# Altium PCB sugar65V2_ARGB_QMK(1).PcbDoc (part 8 of 8)
Units mm, origin at the board's own origin, x right, y up, seen from the top; angles counter-clockwise.
Board outline 416.94 x 174.37 mm, 2 copper layers (Top Layer, Bottom Layer); 304 components, 242 nets, 11102 pads, 1014 vias.
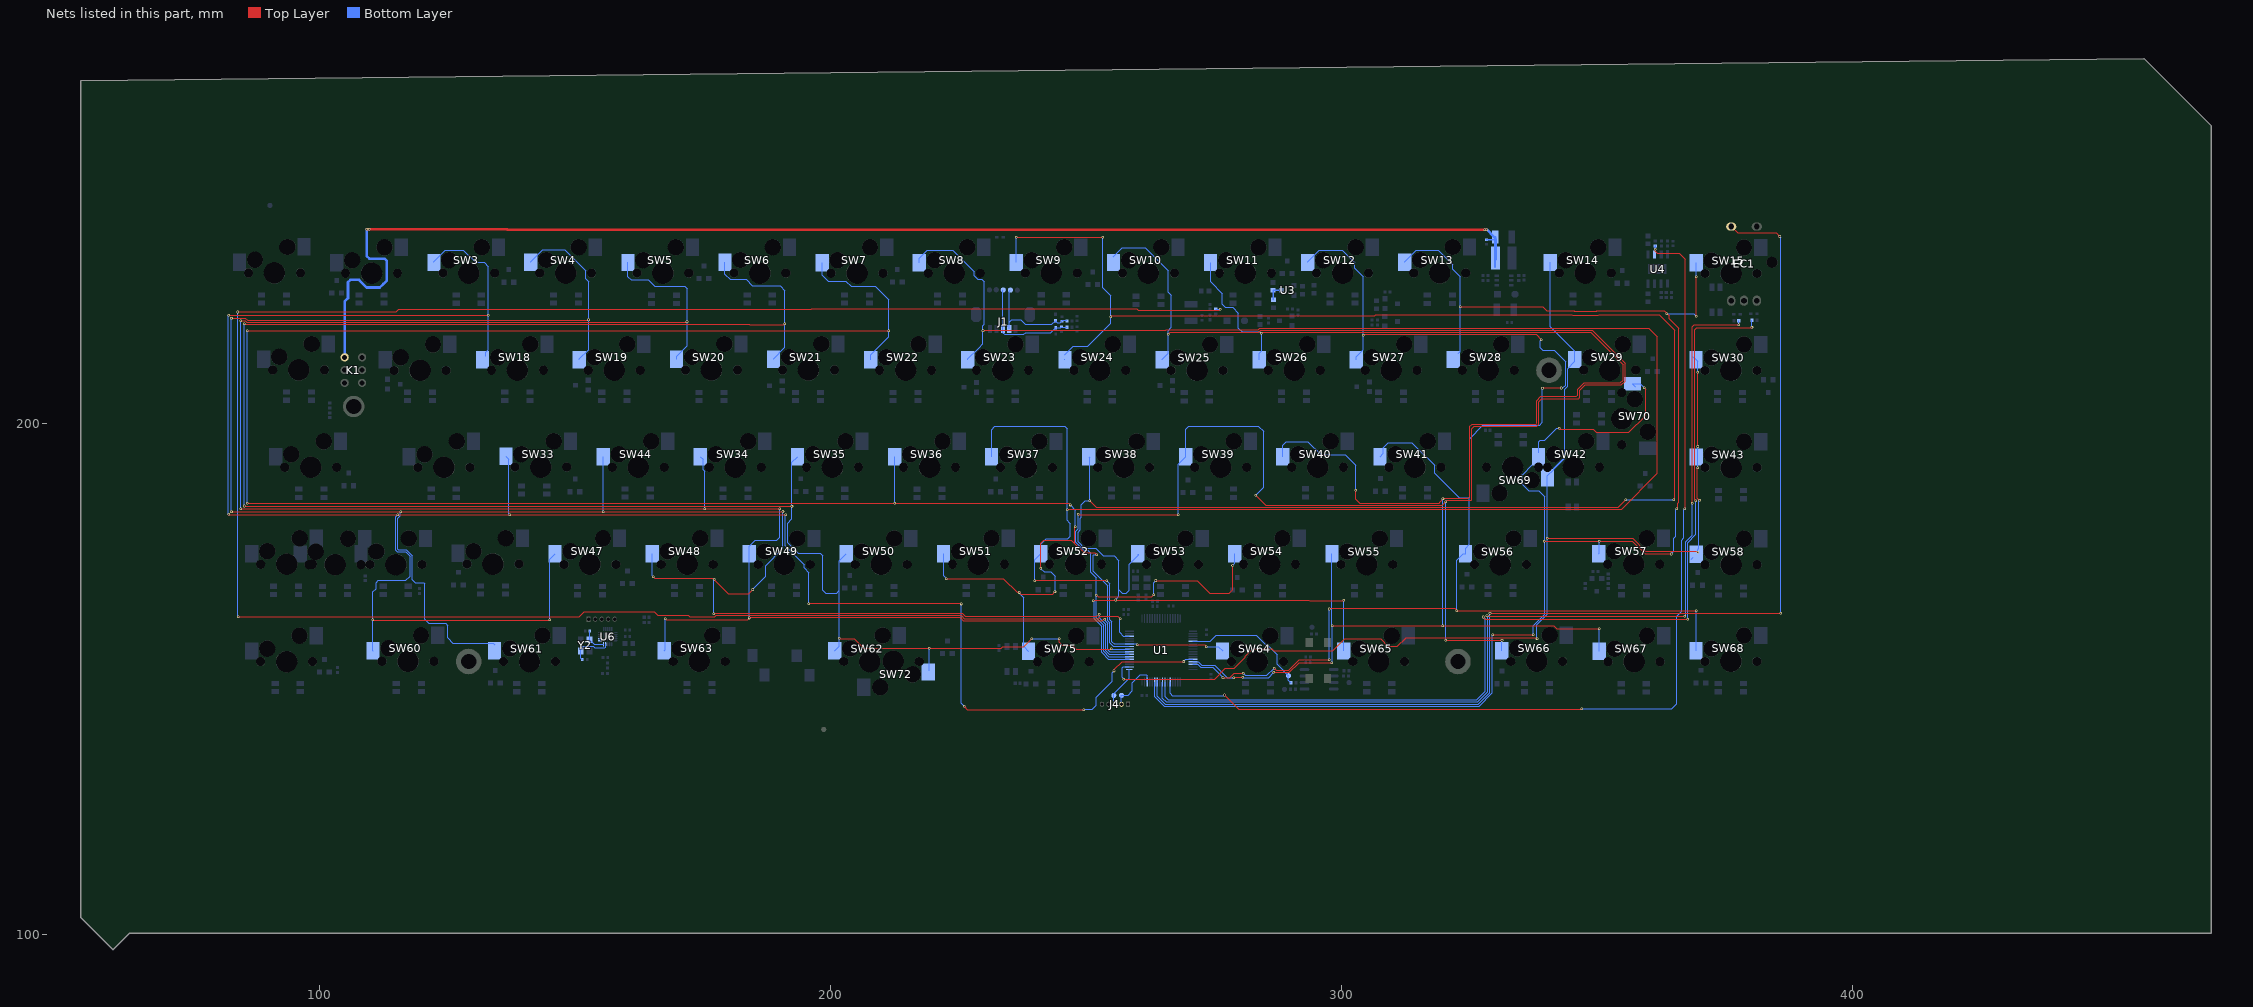
[diagram p8: the nets of this part, all layers, seen from the top]

## Via types
v1: diameter 0.5, hole 0.3, Top Layer to Bottom Layer, 1014 vias

## Nets (pads, with @x,y where several pads share a name; then routed paths per layer and width w, separated by ;. In a path a pad name is that pad's centre, name@x,y a point inside that pad or via, vN(x,y) a via of type N, cw(c..) or ccw(c..) an arc to the next point about the centre after c; other vN are vias at no path point) (continued)
S2: SW3.1 SW18.1 SW33.1 SW47.1 SW60.1 U1.28 | length 445.2
  Top Layer w0.2: v1@82.32,182.16 v1@115.37,182.16 ; v1(82.32,221.16) v1(133.09,221.16) ; v1@110.649,161.51 v1@145.08,161.51 ; v1(115.37,182.16) 116.059,182.159 ; 116.06,182.16 137.279,182.16 v1(191.34,182.16) ; v1(195.86,164.74) 195.86,164.75 195.82,164.79 212.718,164.79 212.727,164.8 225.56,164.8 v1(225.68,164.68) ; v1(226.28,144.65) 226.28,144.62 226.88,144.02 v1@249.55,144.02 ; v1@255.6,151.62 255.6,151.88 257.14,153.42 v1(269.17,153.42)
  Bottom Layer w0.2: v1@82.269,182.26 v1@82.269,221.16 ; 110.55,164.83 110.55,167.05 111.16,167.66 111.16,168.85 111.62,169.31 116.98,169.31 117.82,170.15 117.82,173.99 116.92,174.89 115.34,174.89 115,175.23 115,181.79 v1@115.36,182.15 ; 110.55,162.16 110.55,163.4 ; 110.55,164.829 110.55,163.4 ; SW60.1@110.58,155.54 110.55,155.57 110.55,163.4 ; SW3.1@122.48,231.5 122.48,231.627 124.713,233.86 128.264,233.86 130.624,231.5 132.28,231.5 133.09,230.69 v1(133.09,221.16) ; SW18.1@132.63,213.14 132.63,213.95 133.09,214.41 v1(133.09,221.16) ; SW33.1@136.57,193.55 137.12,193 v1@137.12,182.319 ; 145.11,165.2 145.11,173.44 SW47.1@146.18,174.51 ; v1(145.14,161.61) 145.14,165.17 ; v1@191.18,182.121 191.18,176.06 194.91,172.33 194.91,171.76 195.86,170.81 v1(195.86,164.74) ; v1(225.68,164.68) 225.7,164.66 225.7,145.23 v1(226.28,144.65) ; v1@249.77,144.1 251.316,144.1 252.1,144.884 252.1,146.447 255.22,149.567 255.22,151.24 v1(255.55,151.57) ; v1(269.17,153.42) 269.61,153.86 U1.28@270.98,153.86
  other v1: 249.62,143.95 110.55,161.61 137.28,182.16 82.32,182.21
S3: SW4.1 SW19.1 SW44.1 SW48.1 SW61.1 U1.55 | length 438.4
  Top Layer w0.2: v1(82.87,182.72) v1(116,182.72) v1@155.63,182.72 ; v1@82.92,220.61 85.584,220.61 86.024,220.17 v1@152.57,220.17 ; v1@155.65,182.72 v1@190.73,182.72 ; v1(165.42,170.04) 165.7,169.76 176.976,169.76 v1@177.176,169.56 ; v1(177.23,162.729) 177.391,162.89 225.81,162.89 226.47,162.23 252.21,162.23 v1(252.66,162.68) ; v1@177.29,169.446 180.046,166.69 184.07,166.69 v1(184.89,167.51)
  Bottom Layer w0.2: 82.87,182.97 v1(82.87,220.56) ; v1@115.92,182.639 115.92,181.932 115.4,181.412 115.4,175.396 115.506,175.29 117.086,175.29 118.22,174.156 118.22,169.4 118.825,168.795 120.465,168.795 120.65,168.61 120.65,161.68 121.47,160.86 124.75,160.86 125.18,160.43 125.18,158.04 126.18,157.04 134.05,157.04 SW61.1@134.39,156.7 ; SW4.1@141.43,231.51 141.43,231.637 143.783,233.99 148.06,233.99 152.14,229.91 152.14,228.343 152.73,227.753 152.73,220.61 ; SW19.1@150.93,212.49 150.93,212.617 152.73,214.417 v1(152.73,220.33) ; v1(155.63,182.74) SW44.1@155.63,193.5 ; 165.22,170.24 SW48.1@165.22,174.51 ; v1(177.23,162.729) v1@177.23,169.5 ; v1@184.89,167.54 187.42,170.07 187.42,172.194 190.78,175.554 v1(190.78,182.77) ; v1(252.66,162.68) 252.66,161.96 253.91,160.71 253.91,155.554 254.604,154.86 U1.55@258.58,154.86
  other v1: 177.29,169.56
S4: SW5.1 SW20.1 SW34.1 SW49.1 SW63.1 U1.56 | length 399.7
  Top Layer w0.2: v1@84.67,183.16 v1(84.67,183.27) 84.69,183.29 175.45,183.29 v1(175.47,183.27) v1(190.13,183.27) ; v1(84.67,220.06) 85.568,220.06 85.858,219.77 171.84,219.77 v1(172,219.93) ; v1(167.76,161.75) 167.92,161.59 183.85,161.59 v1(184.2,161.94) ; 184.46,161.94 184.61,162.09 225.42,162.09 226.08,161.43 253.25,161.43 v1@253.51,161.69
  Bottom Layer w0.2: v1@84.67,183.27 v1@84.67,220.06 ; SW5.1@160.45,231.5 160.45,228.73 161.075,228.105 164.415,228.105 165.68,226.84 171.55,226.84 172,226.39 v1@172,219.78 ; SW63.1@167.56,155.52 167.76,155.72 v1(167.76,161.75) ; SW20.1@169.95,212.54 169.95,213.15 172,215.2 v1@172,219.78 ; v1(172,219.93) v1@172,219.78 ; SW34.1@174.61,193.5 175.16,192.95 175.16,190.923 175.47,190.613 v1(175.47,183.27) ; v1(184.2,161.94) SW49.1@184.2,174.49 184.2,175.99 185.33,177.12 189.54,177.12 190.13,177.71 v1@190.13,183.27 ; 253.92,161.479 253.92,161.266 254.31,160.876 254.31,155.72 254.67,155.36 U1.56@258.58,155.36
  other v1: 253.709,161.69
S5: SW6.1 SW21.1 SW35.1 SW50.1 SW62.1 SW72.1 U1.57 | length 397.8
  Top Layer w0.2: v1@85.34,183.82 v1@192.509,183.82 ; v1@85.48,219.37 184.23,219.37 ; 184.24,219.36 v1@191.01,219.36 ; v1@201.95,157.86 204.717,157.86 206.537,156.04 v1@219.38,156.04 ; v1(219.44,155.98) 233.534,155.98 233.823,156.27 237.88,156.27 v1(239.49,157.88) ; v1(244.82,157.84) 244.82,157.21 245.45,156.58 247.373,156.58 248.153,155.8 254.891,155.8 v1@255.01,155.919
  Bottom Layer w0.2: v1@85.34,183.85 v1(85.34,219.51) ; SW6.1@179.43,231.51 179.43,229.23 180.49,228.17 183.55,228.17 184.8,226.92 190.24,226.92 191.16,226 v1(191.16,219.51) 191.16,214.897 188.93,212.667 SW21.1@188.93,212.54 ; v1@192.51,183.82 192.51,192.39 SW35.1@193.63,193.51 ; v1(192.54,183.79) 192.54,181.31 191.67,180.44 191.67,176.703 193.773,174.6 198.11,174.6 198.61,174.1 198.61,167.38 199.163,166.827 201.287,166.827 201.82,167.36 ; SW62.1@200.91,155.5 201.82,156.41 v1(201.82,157.99) 201.82,167.36 ; SW50.1@203.17,174.49 201.82,173.14 201.82,167.36 ; SW72.1@219.44,151.62 v1(219.44,155.98) ; v1@239.53,157.84 v1(244.82,157.84) ; v1@255.01,155.86 U1.57@258.58,155.86 ; v1@255.009,155.861 v1(255.009,155.92)
  other v1: 85.34,183.85
S6: SW7.1 SW22.1 SW36.1 SW51.1 SW75.1 U1.58 | length 455.7
  Top Layer w0.2: v1(85.95,184.38) 85.96,184.37 221.476,184.37 221.506,184.4 246.65,184.4 v1(247,184.05) ; v1(85.96,218.18) v1(211.44,218.18) ; v1(222.76,169.61) 233.91,169.61 236.59,166.93 v1(237.02,166.93) 237.33,166.62 243.52,166.62 v1(244,167.1) ; v1@241.19,171.69 241.19,176.59 241.79,177.19 247.2,177.19 247.88,176.51 ; v1(252.2,174.32) 252.16,174.32 251.77,174.71 249.68,174.71 247.88,176.51 ; 247.88,176.51 v1@247.88,179.68 ; v1@247.88,179.68 v1(248,179.8) 247.909,179.8 247.88,179.83 v1@247.88,179.68
  Bottom Layer w0.2: v1@85.96,184.39 v1(85.96,218.18) ; SW7.1@198.44,231.48 198.44,229.03 199.6,227.87 203.11,227.87 204.14,226.84 208.84,226.84 211.44,224.24 v1(211.44,218.18) 211.44,216.92 207.94,213.42 SW22.1@207.94,212.49 ; SW36.1@212.63,193.51 212.64,193.5 v1(212.64,184.4) ; SW51.1@222.2,174.52 222.2,170.17 v1(222.76,169.61) ; v1@237.02,166.77 237.86,165.93 237.86,156.41 SW75.1@238.81,155.46 ; v1@241.21,171.62 241.88,170.95 243.19,170.95 244.02,170.12 244.02,167.83 ; v1@244.03,167.1 244.03,167.83 ; v1(247,184.05) 248,183.05 v1(248,179.8) 247.909,179.8 247.88,179.83 v1@247.93,179.88 ; v1(252.2,174.32) 251.61,174.32 251.51,174.22 251.51,171.081 254.32,168.271 254.32,161.431 254.71,161.041 254.71,157.1 255.45,156.36 U1.58@258.58,156.36
  other v1: 241.21,171.67
S7: SW8.1 SW23.1 SW37.1 SW52.1 SW64.1 U1.59 | length 416.8
  Top Layer w0.2: v1@229.92,218.25 265.659,218.25 ; v1@240.02,169.21 v1(240,169.23) 240.14,169.37 253.999,169.37 v1(254.149,169.22) 254.16,169.22 254.17,169.21 v1@254.149,169.21 ; v1(246.36,183.08) 246.5,183.22 354.9,183.22 361.89,190.21 361.89,216.94 360.19,218.64 284.077,218.64 283.727,218.29 265.699,218.29 ; v1(260.117,156.663) 273.266,156.663 v1(273.619,156.31)
  Bottom Layer w0.2: SW8.1@217.46,231.48 217.46,232.31 219.04,233.89 223.97,233.89 228.17,229.69 228.17,228.903 228.873,228.2 229.66,228.2 230.17,227.69 230.17,219.439 229.86,219.129 v1@229.86,218.21 ; SW23.1@226.91,212.5 226.91,212.627 229.143,214.86 ; 229.15,214.86 229.91,215.62 v1@229.91,218.15 ; SW37.1@231.59,193.47 231.59,198.78 232.25,199.44 245.93,199.44 246.36,199.01 v1(246.36,183.08) 246.36,181.04 246.725,180.675 ; v1(240,169.23) 240,173.33 SW52.1@241.19,174.52 241.19,176.35 242.29,177.45 246.51,177.45 247.01,177.95 247.01,180.22 247.003,180.227 247.003,180.396 246.725,180.674 ; v1(254.149,169.22) 254.72,168.649 254.72,161.597 255.11,161.207 255.11,157.32 255.57,156.86 U1.59@258.58,156.86 259.92,156.86 v1(260.117,156.663) ; v1(273.619,156.31) 273.66,156.35 275.92,156.35 SW64.1@276.78,155.49
  other v1: 229.92,218.15
S8: SW9.1 SW24.1 SW38.1 SW53.1 SW65.1 U1.53 | length 432.4
  Top Layer w0.2: v1(236.44,236.43) v1@253.35,236.43 ; v1(250.81,184.85) 252.04,183.62 354.209,183.62 v1@355.704,185.115 ; v1(251.509,165.33) 251.559,165.38 256.589,165.38 284.044,165.38 ; v1@255.05,221.04 306.568,221.04 306.788,221.26 338.299,221.26 ; 284.064,165.36 288.106,165.36 ; 288.126,165.38 293.78,165.38 ; 293.829,165.331 v1@300.499,165.331 ; 338.329,221.23 345.237,221.23 ; 345.277,221.19 350.313,221.19 ; 350.353,221.23 362.224,221.23 365.22,218.234 v1@365.22,185.23
  Bottom Layer w0.2: SW9.1@236.44,231.5 v1@236.44,236.429 ; SW24.1@245.95,212.48 SW24.1@245.95,212.607 ; SW24.1@245.95,213.47 247.57,215.09 250.43,215.09 254.9,219.56 v1(254.899,220.89) 254.9,224.97 253.36,226.51 v1(253.36,236.42) ; SW38.1@250.61,193.47 250.81,193.27 v1(250.81,184.85) 249.91,184.85 249.148,184.088 249.148,181.61 248.99,181.452 248.99,179.22 248.51,178.74 248.51,176.883 249.773,175.62 251.96,175.62 253.43,174.15 255.55,174.15 256.52,173.18 256.52,167.427 ; v1@251.665,165.33 251.665,161.789 253.11,160.344 253.11,155.199 254.449,153.86 U1.53@258.58,153.86 ; v1@255.85,165.53 256.52,166.2 256.52,167.427 ; SW53.1@260.18,174.405 SW53.1@260.435,174.405 ; SW53.1@260.35,174.32 258.494,172.464 258.494,167.384 257.933,166.823 257.124,166.823 256.52,167.427 ; SW65.1@300.5,155.49 v1(300.499,165.43) ; v1(355.709,185.11) v1(365.099,185.11)
  other v1: 255.924,165.456
S9: SW10.1 SW25.1 SW39.1 SW54.1 SW66.1 U1.54 | length 401.9
  Top Layer w0.2: v1@248.59,182.16 v1(268.109,182.16) ; v1@252.18,166.51 v1(252.1,166.43) 252.45,166.08 262.92,166.08 v1(263.34,166.5) v1@263.33,166.51 ; v1(263.75,169.27) 263.76,169.26 265.063,169.26 265.074,169.27 271.801,169.27 274.251,166.82 278.09,166.82 278.74,167.47 v1(278.74,172.21) ; v1@266.16,217.54 266.51,217.89 283.892,217.89 284.242,218.24 349.129,218.24 355.55,211.819 355.55,208.3 354.79,207.54 347.72,207.54 346.71,206.53 346.71,205.14 346.45,204.88 339.26,204.88 338.67,204.29 338.67,199.84 338.29,199.46 326.06,199.46 325.59,198.99 325.59,185.11 325.449,184.969 320.769,184.969 v1(320.464,184.664) 319.82,184.02 285.23,184.02 v1(283.27,185.98) ; v1(320.464,157.544) v1(331.464,157.544)
  Bottom Layer w0.2: v1(248.59,182.24) 248.59,179.386 248.11,178.906 248.11,176.717 249.607,175.22 250.43,175.22 251.005,174.645 251.005,170.895 252.065,169.835 252.065,166.465 v1(252.1,166.43) 252.065,166.43 252.065,161.955 253.51,160.51 253.51,155.389 254.539,154.36 U1.54@258.58,154.36 ; SW10.1@255.45,232.61 257.18,234.34 261.71,234.34 266.16,229.89 266.16,225.7 266.78,225.08 266.78,224.07 ; v1(263.34,166.5) 263.34,168.86 v1(263.75,169.27) ; SW25.1@264.97,212.44 264.97,212.567 266.13,213.727 v1@266.13,217.42 ; v1(266.16,217.42) 266.16,218.16 266.78,218.78 266.78,224.07 ; 266.78,224.23 266.78,224.07 ; v1@268.12,182.16 268.12,192.01 SW39.1@269.61,193.5 269.61,198.89 270.21,199.49 283.76,199.49 284.81,198.44 284.81,187.52 v1(283.27,185.98) ; v1(278.74,172.21) 279.16,172.63 SW54.1@279.16,174.53 ; v1(320.464,157.544) v1(320.464,184.664) ; SW66.1@331.42,155.53 331.464,155.574 v1(331.464,157.544)
S10: SW11.1 SW26.1 SW40.1 SW55.1 SW67.1 U1.29 | length 334.7
  Top Layer w0.2: v1@278.98,150.3 v1(280.74,150.3) ; v1(284.39,217.61) 284.62,217.84 291.649,217.84 ; v1(286.84,151.28) 287.822,151.28 ; 287.852,151.31 289.88,151.31 291.79,153.22 v1(298.19,153.22) ; 291.679,217.81 348.86,217.81 355.15,211.52 355.15,208.49 354.6,207.94 347.554,207.94 346.31,206.696 346.31,205.56 346.03,205.28 339.07,205.28 338.27,204.48 338.27,200.006 338.126,199.862 325.642,199.862 325.19,199.41 325.19,185.69 324.869,185.369 319.989,185.369 v1(319.92,185.3) ; v1@298.24,160.43 319.309,160.43 ; v1(302.89,186.95) 302.89,185.15 303.62,184.42 319.15,184.42 319.492,184.763 ; 319.309,160.451 320.109,160.451 v1@320.089,160.43 ; 319.309,184.58 319.492,184.763 ; v1(319.909,160.43) v1@320.088,160.43 ; v1@319.975,185.245 319.492,184.763 ; v1(350.5,159.79) 342.217,159.79 341.577,160.43 v1@320.089,160.43
  Bottom Layer w0.2: U1.29@270.98,153.36 272.05,153.36 272.72,152.69 275.258,152.69 277.678,150.27 v1(278.98,150.27) ; SW11.1@274.44,231.49 274.44,227.71 276.74,225.41 276.74,223.3 277.31,222.73 278.74,222.73 279.9,221.57 279.9,219.13 ; 279.909,219.12 279.909,218.641 280.64,217.91 284.09,217.91 v1(284.39,217.61) ; v1@280.74,150.29 285.85,150.29 v1(286.84,151.28) ; SW26.1@283.98,212.48 283.98,213.76 284.42,214.2 v1@284.42,217.58 ; SW40.1@288.57,193.51 288.57,195.72 289.26,196.41 293.5,196.41 296.08,193.83 300.8,193.83 302.81,191.82 v1@302.81,187.03 ; v1@298.19,160.47 SW55.1@298.19,174.48 ; v1@298.24,153.27 v1(298.24,160.42) ; v1(319.909,160.43) 319.91,185.29 v1(319.92,185.3) ; SW67.1@350.48,155.46 v1@350.48,159.77
S11: SW12.1 SW27.1 SW41.1 SW56.1 SW68.1 U1.30 | length 284.9
  Top Layer w0.2: v1(276.88,150.27) 278.17,150.27 279.05,151.15 v1(280.81,151.15) ; v1(286.88,152.13) 287.3,151.71 289.714,151.71 291.784,153.78 v1(297.639,153.78) ; v1(297.639,163.7) 297.67,163.73 297.67,163.85 322.27,163.85 322.64,163.48 v1@322.64,163.39 ; 304.53,217.41 338.14,217.41 v1(339.15,216.4) ; v1(322.64,163.35) v1@322.64,163.39 ; 328.882,163.39 v1@322.64,163.39 ; 328.892,163.4 v1@369.239,163.4 ; v1@339.47,206.94 v1@343.069,206.94
  Bottom Layer w0.2: U1.30@270.98,152.86 271.984,152.86 272.554,152.29 274.88,152.29 276.89,150.28 v1(276.88,150.27) ; v1(280.81,151.15) 281.27,150.69 285.44,150.69 v1(286.88,152.13) ; SW12.1@293.45,231.5 293.45,231.627 295.733,233.91 300.2,233.91 302.69,231.42 302.69,230.393 304.34,228.743 304.34,218.56 ; v1(297.639,153.78) v1@297.64,163.699 ; SW27.1@302.95,212.48 302.95,213.07 304.34,214.46 v1(304.34,217.22) ; 304.34,217.51 304.34,218.56 ; SW41.1@307.6,193.51 308.25,194.16 308.25,195.27 309.22,196.24 313.85,196.24 318.31,191.78 318.31,190.23 322.77,185.77 323.096,185.444 325.005,185.444 325.08,185.52 ; v1@322.6,163.39 322.6,173.23 323.85,174.48 SW56.1@324.34,174.48 324.34,175.59 325.08,176.33 325.08,185.52 ; v1(339.15,216.4) 338.98,216.23 338.98,214.8 339.47,214.31 341.706,214.31 343.903,212.113 343.903,207.483 343.37,206.95 v1@343.069,206.95 ; v1(339.39,206.86) 339.39,200.2 338.85,199.66 327.73,199.66 325.11,197.04 325.11,185.55 325.08,185.52 ; SW68.1@369.44,155.52 v1@369.44,163.379
  other v1: 369.439,163.38 343.069,206.94
S12: SW13.1 SW15.1 SW28.1 SW42.1 SW57.1 SW70.1 U1.43 | length 326.1
  Top Layer w0.2: v1@323.44,222.8 339.435,222.8 340.204,222.03 345.568,222.03 345.608,221.99 349.982,221.99 350.022,222.03 363.21,222.03 364.199,221.041 364.199,220.476 365.238,219.438 ; v1@329.64,158.67 v1(337.55,158.67) ; v1@339.77,176.97 v1(350.46,176.97) 356.96,176.97 359.47,174.46 v1(364.55,174.46) ; v1(342.629,199.061) 342.84,198.85 349.296,198.85 349.886,198.26 356.304,198.26 359.58,201.536 359.58,206.73 v1(359.29,207.02) ; 365.289,219.386 366.05,218.626 366.05,184.63 365.84,184.42 v1@365.84,183.47 ; v1@369.45,221 v1(369.45,228.7)
  Bottom Layer w0.2: U1.43@263.53,149.41 263.53,146.556 265.386,144.7 327.01,144.7 329.58,147.27 v1@329.58,158.58 ; SW13.1@312.46,231.52 312.46,231.647 314.693,233.88 318.987,233.88 321.827,231.04 321.827,230.186 323.269,228.744 323.269,223.56 ; SW28.1@322.928,213.732 323.269,214.072 v1@323.269,222.96 ; v1@323.28,222.96 323.28,223.549 ; SW42.1@337.41,191.9 335.499,189.989 335.44,189.93 335.44,188.103 336.733,186.81 338.67,186.81 339.8,185.68 339.8,162.69 337.55,160.44 v1(337.55,158.67) ; SW42.1@338.61,194.29 338.61,196.4 338.93,196.72 339.821,196.72 342.162,199.061 v1(342.629,199.061) ; SW57.1@350.42,174.52 350.46,174.56 v1(350.46,176.97) ; SW70.1@357.55,207.2 SW70.1@356.99,207.76 358.55,207.76 v1(359.29,207.02) ; v1@363.86,221.42 369.03,221.42 v1(369.48,220.97) ; v1(364.55,174.46) 365.05,174.96 365.05,177.552 365.419,177.921 365.419,183.079 v1(365.68,183.34) ; v1(369.45,228.7) SW15.1@369.45,231.42
  other v1: 329.64,158.64 339.76,176.96 363.719,221.44 323.28,222.83
S13: SW14.1 SW29.1 SW30.1 SW43.1 SW58.1 SW69.1 U1.50 | length 239.6
  Top Layer w0.2: v1@257.52,150 275.22,150 277.34,152.12 279.04,152.12 281.21,154.29 281.21,154.404 282.698,155.892 286.438,155.892 286.77,155.56 298.39,155.56 300.68,157.85 307.72,157.85 309.16,156.41 311.01,156.41 312.694,158.094 322.175,158.094 ; 322.179,158.09 330.769,158.09 ; 330.774,158.094 338.106,158.094 v1(338.32,157.88) ; v1(340.359,177.53) 340.369,177.52 357.01,177.52 359.52,175.01 369.61,175.01 v1(369.78,174.84) ; v1(369.739,191.31) 369.7,191.27 369.7,187.91 369.7,185.338 370.028,185.01 v1(370.129,185.01) ; v1(369.75,195.49) 369.739,195.501 369.739,210.009 v1(369.75,209.999)
  Bottom Layer w0.2: v1(257.5,149.98) 257.18,150.3 257.18,152.25 257.32,152.39 258.55,152.39 U1.50@258.58,152.36 ; v1@338.3,157.9 338.3,160.624 340.36,162.684 340.36,169.72 ; 340.35,169.72 340.35,170.22 ; 340.36,170.21 340.36,177.529 SW69.1@340.36,189.35 340.36,189.743 341.56,190.943 341.56,191.12 ; 340.93,221.149 340.93,220.42 ; 340.93,221.529 340.93,221.81 ; SW14.1@340.93,231.5 340.93,221.81 ; 343.73,193.29 343.73,206.66 344.303,207.233 344.303,210.723 345.71,212.13 SW29.1@345.71,212.52 345.71,214.13 340.93,218.91 340.93,220.42 ; SW58.1@368.54,173.4 SW58.1@368.929,173.789 ; SW30.1@368.71,213.17 SW30.1@369.44,212.44 369.75,212.13 v1(369.75,209.999) ; v1(369.739,191.31) 369.75,191.32 v1(369.75,195.49) ; v1(369.78,174.84) 369.78,175.33 370.01,175.56 370.01,184.92 370.1,185.01 v1(370.129,185.01) ; 340.93,220.42 340.93,221.81
  Bottom Layer w0.25: 341.56,191.12 343.73,193.29
S14: EC1.4 U1.42 | length 226.6
  Top Layer w0.2: v1(329.12,162.85) 329.141,162.829 v1(386.009,162.83) ; EC1.4@376.322,238.527 377.569,237.28 385.12,237.28 v1(385.82,236.58)
  Bottom Layer w0.2: U1.42@264.01,149.97 264.01,149.43 U1.42@264.03,149.41 264.03,146.621 265.551,145.1 326.844,145.1 329.09,147.346 329.09,158.878 329.1,158.888 329.1,162.87 v1(329.12,162.85) ; v1(385.82,236.58) 386.05,236.35 386.05,179.42 386.03,179.4 386.03,162.85 v1(386.009,162.83)
SCK_0: R16.2 TP2.1 U1.21 | length 25.3
  Bottom Layer w0.2: U1.21@270.98,157.36 271,157.34 274.35,157.34 275.6,158.59 283.363,158.59 285.363,156.59 285.64,156.59 285.86,156.37 ; 285.79,156.44 285.86,156.37 ; R16.2@290.155,149.28 289.677,149.758 TP2.1@289.677,150.633 287.46,152.85 287.46,154.77 285.86,156.37
SPI_CLK: U6.7
SPI_CS: U6.6
STBY: R23.1 U1.37 U4.6 | length 198.4
  Top Layer w0.2: v1(277.169,146.87) 279.959,144.08 v1@346.91,144.08 ; v1(361.46,234.08) 361.46,233.7 361.87,233.29 366.16,233.29 367.35,232.1 v1@367.35,183.3
  Bottom Layer w0.2: U1.37@266.53,149.41 266.53,147.17 266.95,146.75 277.009,146.75 v1@277.149,146.89 ; v1(347.04,144.21) 364.73,144.21 365.659,145.139 365.659,162.259 366.61,163.21 366.61,177.166 367.069,177.625 367.069,183.15 v1(367.219,183.3) ; v1(367.219,183.3) 367.324,183.3 v1@367.272,183.247
  Bottom Layer w0.35: v1(361.46,234.08) R23.1@361.46,234.74
TCK: J4.3 TP6.1 U1.49 | length 8.2
  Bottom Layer w0.2: J4.3@255.74,145.05 255.517,145.273 TP6.1@255.517,146.793 255.517,147.067 258.58,150.13 U1.49@258.58,151.86
TMS: J4.2 TP5.1 U1.46 | length 10.6
  Bottom Layer w0.2: J4.2@257.01,145.05 257.01,146.776 TP5.1@257.037,146.803 258.293,146.803 259.15,147.66 259.15,149.22 260.72,150.79 261.85,150.79 262.03,150.61 U1.46@262.03,149.41
USB_D+: C8.1 ESD3.2 J1.2 R10.1 TP15.1 | length 20.4
  Bottom Layer w0.2: J1.2@235.05,218.51 235.05,219.82 ; TP15.1@235.277,226.113 235.05,225.886 235.05,219.82 ; C8.1@245.235,220.125 C8.1@245.35,220.01 245.02,219.68 244.48,219.68 244.11,220.05 ESD3.2@244.11,220.125 243.385,219.4 238.21,219.4 237.29,220.32 235.55,220.32 235.05,219.82 ; C8.1@245.35,220.16 R10.1@246.33,220.16
USB_D-: C9.1 ESD2.2 J1.3 R11.1 TP14.1 | length 21.9
  Bottom Layer w0.2: TP14.1@233.877,226.133 233.8,226.056 J1.3@233.8,218.51 233.8,217.75 234.14,217.41 237.89,217.41 238.27,217.79 243.22,217.79 244.15,218.72 ESD2.2@244.15,218.745 245.155,218.745 C9.1@245.26,218.85 ; C9.1@245.29,218.88 C9.1@245.26,218.85 ; R11.1@246.33,218.76 R11.1@246.41,218.68 ; R11.1@246.35,218.85 C9.1@245.26,218.85
USB_IN: R3.2 U1.62 | length 432
  Top Layer w0.2: v1(84.12,221.81) 115.08,221.81 115.6,222.33 196.3,222.33 196.37,222.4 205.98,222.4 ; v1@84.238,162.208 150.962,162.208 151.914,163.16 165.584,163.16 166.265,162.479 172.201,162.479 172.51,162.17 177.449,162.17 177.769,162.49 225.63,162.49 226.29,161.83 252.588,161.83 252.998,162.24 256.26,162.24 v1@256.75,161.75 ; 205.6,222.4 205.98,222.4 ; 207.266,222.4 205.98,222.4 ; 207.306,222.44 221.424,222.44 ; 221.444,222.42 240.57,222.42 ; 240.59,222.44 259.994,222.44 260.284,222.15 v1@276.14,222.15
  Bottom Layer w0.2: v1@84.12,162.29 v1(84.12,221.81) ; v1@256.63,161.62 256.63,159.11 257.38,158.36 U1.62@258.58,158.36 ; R3.2@275.43,222.385 275.505,222.31 v1(276.3,222.31)
  other v1: 256.76,161.75 84.22,162.19
V_BAT: C25.1 C26.1 K1.6 L2.1 | length 266.9
  Top Layer w0.5: v1(109.36,237.96) v1(109.82,237.96) 136.791,237.96 136.856,237.896 175.044,237.896 175.05,237.89 219.73,237.89 219.75,237.91 v1(328.5,237.91)
  Bottom Layer w0.35: C26.1@328.41,235.94 329.979,235.94 C25.1@330.159,236.12 ; L2.1@330.09,230.6 330.09,231.98 L2.1@330.159,232.049
  Bottom Layer w0.5: K1.6@105.022,212.941 105.022,223.872 105.67,224.52 105.67,227.64 106.13,228.1 107.83,228.1 109.33,226.6 111.88,226.6 112.585,227.305 112.595,227.305 113.27,227.98 113.27,231.79 112.81,232.25 109.84,232.25 109.38,232.71 109.38,237.96 v1(109.82,237.96) ; v1(328.06,237.92) 328.49,237.92 v1(328.5,237.91) 329.94,236.47 C25.1@330.109,236.47
  Bottom Layer w0.6: L2.1@330.159,232.049 C25.1@330.159,236.12
VIN33: C17.1 R19.1 U3.3 | length 3.4
  Bottom Layer w0.2: U3.3@288.273,226.05 U3.3@288.279,226.056
  Bottom Layer w0.35: R19.1@286.71,224.2 286.71,226.04 C17.1@286.7,226.05 U3.3@288.273,226.05
XI: C33.2 U6.4 Y2.1 | length 8.2
  Bottom Layer w0.18: C33.2@151.54,153.8 151.241,154.099 Y2.1@151.241,155.471 151.241,156.111 151.566,156.436 153.634,156.436 153.99,156.08 155.94,156.08 156.08,156.22 156.08,156.35 U6.4@156.08,156.8
XO: C34.2 U6.5 Y2.3 | length 4.9
  Bottom Layer w0.18: Y2.3@152.919,157.689 153.807,156.8 U6.5@155.68,156.8
  Bottom Layer w0.2: Y2.3@152.919,157.689 152.98,157.75 C34.2@152.98,159.42
Z1: R128.1 U1.39 | length 191.6
  Top Layer w0.2: v1(327.829,162.13) 328.23,161.729 367.801,161.729 v1(367.83,161.7) ; v1(369.42,184.84) 369.42,184.86 369.18,185.1 369.18,218.3 369.61,218.73 380.31,218.73 v1(380.38,218.8)
  Bottom Layer w0.2: U1.39@265.52,149.4 U1.39@265.53,149.41 265.53,146.51 266.12,145.92 277.563,145.92 277.593,145.95 277.91,145.95 326.563,145.95 328.2,147.587 328.2,161.77 327.84,162.13 v1(327.829,162.13) ; v1(367.83,161.7) 367.81,161.7 367.81,176.669 369.42,178.279 v1(369.42,184.84) ; v1(380.38,218.8) R128.1@380.38,220.2
Z2: R127.1 U1.40 | length 190.7
  Top Layer w0.2: v1(328.53,162.37) 328.6,162.3 v1@367.239,162.3 ; v1@368.67,184.45 368.67,218.89 369.06,219.28 v1(377.79,219.28) ; v1@367.239,162.3 v1(367.26,162.279) 367.389,162.279 367.41,162.3 v1@367.239,162.3
  Bottom Layer w0.2: U1.40@265.03,149.41 265.03,146.26 265.78,145.51 266.199,145.51 ; 267.25,145.51 266.199,145.51 ; v1(328.53,162.37) 328.55,162.37 328.69,162.23 328.69,147.511 326.689,145.51 266.199,145.51 ; v1(367.26,162.279) v1@367.41,162.429 ; 367.41,162.84 v1@367.41,162.429 ; v1(368.72,184.4) 368.72,178.144 367.41,176.834 v1@367.41,162.429 ; v1(377.79,219.28) R127.1@377.79,220.1
pads on no net: EC1.5/2 EC1.5/3 K1.1 K1.2 K1.3 LED3.1 SW1.5 SW1.7 SW1.8 SW1.9 SW1.10 SW2.5 SW2.7 SW2.8 SW2.9 SW2.10 SW3.5 SW3.7 SW3.8 SW3.9 SW3.10 SW4.5 SW4.7 SW4.8 SW4.9 SW4.10 SW5.5 SW5.7 SW5.8 SW5.9 SW5.10 SW6.5 SW6.7 SW6.8 SW6.9 SW6.10 SW7.5 SW7.7 SW7.8 SW7.9 SW7.10 SW8.5 SW8.7 SW8.8 SW8.9 SW8.10 SW9.5 SW9.7 SW9.8 SW9.9 SW9.10 SW10.5 SW10.7 SW10.8 SW10.9 SW10.10 SW11.5 SW11.7 SW11.8 SW11.9 SW11.10 SW12.5 SW12.7 SW12.8 SW12.9 SW12.10 SW13.5 SW13.7 SW13.8 SW13.9 SW13.10 SW14.5 SW14.7 SW14.8 SW14.9 SW14.10 SW15.5 SW15.7 SW15.8 SW15.9 SW15.10 SW16.5 SW16.7 SW16.8 SW16.9 SW16.10 SW17.5 SW17.7 SW17.8 SW17.9 SW17.10 SW18.5 SW18.7 SW18.8 SW18.9 SW18.10 SW19.5 SW19.7 SW19.8 SW19.9 SW19.10 SW20.5 SW20.7 SW20.8 SW20.9 SW20.10 SW21.5 SW21.7 SW21.8 SW21.9 SW21.10 SW22.5 SW22.7 SW22.8 SW22.9 SW22.10 SW23.5 SW23.7 SW23.8 SW23.9 SW23.10 SW24.5 SW24.7 SW24.8 SW24.9 SW24.10 SW25.5 SW25.7 SW25.8 SW25.9 SW25.10 SW26.5 SW26.7 SW26.8 SW26.9 SW26.10 SW27.5 SW27.7 SW27.8 SW27.9 SW27.10 SW28.5 SW28.7 SW28.8 SW28.9 SW28.10 SW29.5 SW29.7 SW29.8 SW29.9 SW29.10 SW30.5 SW30.7 SW30.8 SW30.9 SW30.10 SW31.5 SW31.7 SW31.8 SW31.9 SW31.10 SW32.5 SW32.7 SW32.8 SW32.9 SW32.10 SW33.5 SW33.7 SW33.8 SW33.9 SW33.10 SW34.5 SW34.7 SW34.8 SW34.9 SW34.10 SW35.5 SW35.7 SW35.8 SW35.9 SW35.10 SW36.5 SW36.7 SW36.8 SW36.9 SW36.10 SW37.5 SW37.7 SW37.8 SW37.9 SW37.10 SW38.5 SW38.7 SW38.8 SW38.9 SW38.10 SW39.5 SW39.7 SW39.8 SW39.9 SW39.10 SW40.5 SW40.7 SW40.8 SW40.9 SW40.10 SW41.5 SW41.7 SW41.8 SW41.9 SW41.10 SW42.5 SW42.7 SW42.8 SW42.9 SW42.10 SW43.5 SW43.7 SW43.8 SW43.9 SW43.10 SW44.5 SW44.7 SW44.8 SW44.9 SW44.10 SW45.5 SW45.7 SW45.8 SW45.9 SW45.10 SW46.5 SW46.7 SW46.8 SW46.9 SW46.10 SW47.5 SW47.7 SW47.8 SW47.9 SW47.10 SW48.5 SW48.7 SW48.8 SW48.9 SW48.10 SW49.5 SW49.7 SW49.8 SW49.9 SW49.10 SW50.5 SW50.7 SW50.8 SW50.9 SW50.10 SW51.5 SW51.7 SW51.8 SW51.9 SW51.10 SW52.5 SW52.7 SW52.8 SW52.9 SW52.10 SW53.5 SW53.7 SW53.8 SW53.9 SW53.10 SW54.5 SW54.7 SW54.8 SW54.9 SW54.10 SW55.5 SW55.7 SW55.8 SW55.9 SW55.10 SW56.5 SW56.7 SW56.8 SW56.9 SW56.10 SW57.5 SW57.7 SW57.8 SW57.9 SW57.10 SW58.5 SW58.7 SW58.8 SW58.9 SW58.10 SW59.5 SW59.7 SW59.8 SW59.9 SW59.10 SW60.5 SW60.7 SW60.8 SW60.9 SW60.10 SW61.5 SW61.7 SW61.8 SW61.9 SW61.10 SW62.5 SW62.7 SW62.8 SW62.9 SW62.10 SW63.5 SW63.7 SW63.8 SW63.9 SW63.10 SW64.5 SW64.7 SW64.8 SW64.9 SW64.10 SW65.5 SW65.7 SW65.8 SW65.9 SW65.10 SW66.5 SW66.7 SW66.8 SW66.9 SW66.10 SW67.5 SW67.7 SW67.8 SW67.9 SW67.10 SW68.5 SW68.7 SW68.8 SW68.9 SW68.10 SW69.5 SW69.7 SW69.8 SW69.9 SW69.10 SW70.5 SW70.7 SW70.8 SW70.9 SW70.10 SW72.5 SW72.7 SW72.8 SW72.9 SW72.10 SW73.5 SW73.7 SW73.8 SW73.9 SW73.10 SW74.5 SW74.7 SW74.8 SW74.9 SW74.10 SW75.5 SW75.7 SW75.8 SW75.9 SW75.10 SW.2 SW.3 U1.3 U1.4 U1.8 U1.9 U1.10 U1.11 U1.14 U1.24 U1.25 U1.61 U5.6 U6.2 U6.17 U6.21
copper on no net:
  other v1: 155.97,157.82 156.96,157.81 156.53,158.31 157,158.81 156.01,158.82

## Polygon pours and split planes (outlines as drawn)
GND on Bottom Layer "Top Layer-No Net" (solid, remove dead copper, pour order 1000): 388.573,248.331 390.233,246.671 390.233,122.241 58.993,122.241 58.023,123.211 64.673,129.861 64.673,244.161
GND on Top Layer "Top Layer-No Net" (solid, remove dead copper, pour order 1001): 399.226,262.899 399.226,133.369 395.776,129.919 394.916,130.779 60.426,130.779 60.426,251.389 69.926,260.889

## Keep-outs
Keep-Out Layer:
  lines w0.1: 144.025,167.795 144.025,179.495 162.025,179.495 162.025,172.495 ccw(c162.525,172.508) 163.025,172.495 163.025,179.495 181.025,179.495 181.025,167.795 ccw(c181.525,167.788) 182.025,167.795 182.025,179.495 189.025,179.495 ccw(c189.033,179.995) 189.025,180.495 124.525,180.495 ccw(c124.525,179.995) 124.025,179.995 124.025,167.795 ccw(c124.525,167.791) 125.025,167.795 125.025,179.494 143.025,179.494 143.025,167.795 ccw(c143.525,167.797) 144.025,167.796 ; 153.525,186.42 153.525,200.422 171.525,200.422 171.525,186.47 ccw(c172.025,186.41) 172.525,186.47 172.525,200.418 190.525,200.418 190.525,186.42 ccw(c191.025,186.412) 191.525,186.42 191.525,200.42 209.525,200.42 209.525,186.42 ccw(c210.025,186.424) 210.525,186.42 210.525,200.42 228.525,200.42 228.525,186.42 ccw(c229.025,186.422) 229.525,186.42 229.525,200.42 247.525,200.42 247.525,186.42 ccw(c248.025,186.421) 248.525,186.42 248.525,200.42 266.525,200.42 266.525,186.42 ccw(c267.025,186.408) 267.525,186.42 267.525,200.42 285.525,200.42 285.525,186.42 ; 153.525,186.42 cw(c153.025,186.418) 152.525,186.419 152.525,200.42 134.525,200.42 134.525,186.72 cw(c134.025,186.723) 133.525,186.72 133.525,200.412 115.525,200.412 115.525,186.72 cw(c115.025,186.722) 114.525,186.72 114.525,200.42 110.225,200.42 cw(c110.225,200.92) 109.725,200.92 109.725,215.329 cw(c110.275,215.329) 110.825,215.329 110.825,201.42 128.775,201.42 128.775,215.42 cw(c129.3,215.42) 129.825,215.42 129.825,201.42 147.775,201.42 147.775,215.42 cw(c148.275,215.42) 148.775,215.42 148.775,201.42 166.775,201.42 166.775,215.47 cw(c167.275,215.47) 167.775,215.47 167.775,201.42 185.775,201.42 185.775,215.42 cw(c186.275,215.42) 186.775,215.42 186.775,201.42 204.775,201.42 204.775,215.42 cw(c205.275,215.42) 205.775,215.42 205.775,201.42 223.772,201.42 223.772,215.42 cw(c224.273,215.42) 224.775,215.42 224.775,201.42 242.775,201.42 242.775,215.42 cw(c243.275,215.444) 243.775,215.42 243.775,201.42 261.775,201.42 261.775,215.42 cw(c262.275,215.427) 262.775,215.42 262.775,201.42 280.78,201.42 280.78,215.42 cw(c281.278,215.421) 281.775,215.42 281.775,201.42 299.775,201.42 299.775,215.42 cw(c300.275,215.426) 300.775,215.42 300.775,201.42 318.777,201.42 318.777,215.42 cw(c319.276,215.43) 319.775,215.42 319.775,201.419 336.775,201.419 336.775,215.42 cw(c337.275,215.415) 337.775,215.42 337.775,200.92 cw(c337.25,200.92) 337.25,200.395 324.475,200.395 324.475,186.42 cw(c324,186.388) 323.525,186.42 323.525,200.435 305.525,200.435 305.525,186.42 ; 258.025,167.795 258.025,179.495 276.025,179.495 276.025,167.795 ; 258.025,167.796 cw(c257.525,167.791) 257.025,167.795 257.025,179.494 250.025,179.494 cw(c250.015,179.995) 250.025,180.495 314.525,180.495 cw(c314.525,179.97) 315.05,179.97 315.05,167.795 cw(c314.538,167.767) 314.025,167.795 314.025,179.499 296.025,179.499 296.025,167.795 cw(c295.525,167.785) 295.025,167.795 295.025,179.496 277.025,179.496 277.025,167.795 cw(c276.525,167.79) 276.025,167.796 ; 285.525,186.42 ccw(c286.025,186.405) 286.525,186.42 ; 286.525,186.42 286.525,200.42 304.525,200.42 304.525,186.42 ccw(c305.025,186.408) 305.525,186.42 ; 328.8,240.745 ccw(c328.8,239.995) 328.8,239.245 354.8,239.245 ccw(c354.805,239.995) 354.8,240.745 328.8,240.745 ; 328.8,240.745 ccw(c328.8,240.745) 328.8,240.745 ; 80.94,237.879 cw(c82.325,237.862) 82.397,239.244 108.3,239.245 ccw(c108.3,239.995) 108.3,240.745 89.969,240.74 cw(c90.107,242.284) 88.56,242.189 88.56,242.81 cw(c90.106,242.715) 89.99,244.26 161.531,244.25 cw(c161.559,242.78) 163.03,242.78 163.04,242.209 cw(c161.558,242.227) 161.55,240.745 143.19,240.74 ccw(c143.301,239.995) 143.19,239.25 161.55,239.25 198.05,239.22 216.347,239.23 ccw(c216.293,239.99) 216.336,240.75 198.021,240.76 cw(c198.021,242.252) 196.53,242.19 196.53,242.789 cw(c198.122,242.666) 198.019,244.26 269.549,244.26 cw(c269.536,242.744) 271.05,242.821 271.05,242.22 cw(c269.544,242.251) 269.549,240.745 254.8,240.76 251.3,240.745 ccw(c251.303,239.993) 251.3,239.24 321.48,239.24 324.3,239.245 ccw(c324.3,239.993) 324.3,240.74 306.048,240.74 cw(c306.058,242.248) 304.55,242.246 304.55,242.745 cw(c306.074,242.735) 306.05,244.258 377.549,244.258 cw(c377.522,242.723) 379.057,242.753 379.048,242.248 cw(c377.56,242.237) 377.55,240.75 359.3,240.745 ccw(c359.3,239.995) 359.3,239.246 385.321,239.26 cw(c385.265,237.876) 386.65,237.919 386.65,144.879 cw(c385.289,144.9) 385.249,143.54 359.3,143.54 ccw(c359.299,142.785) 359.3,142.03 377.56,142.04 cw(c377.557,140.536) 379.06,140.601 379.06,139.981 cw(c377.528,140.075) 377.571,138.54 306.038,138.55 cw(c306.078,140.078) 304.55,140.03 304.55,140.59 cw(c306.048,140.551) 306.041,142.05 324.26,142.05 324.3,142.06 ccw(c324.306,142.795) 324.282,143.53 269.26,143.53 251.291,143.55 ccw(c251.294,142.8) 251.29,142.05 269.26,142.04 269.48,142.04 cw(c269.579,140.582) 271.04,140.62 271.05,140.02 cw(c269.53,140.06) 269.509,138.54 197.84,138.56 cw(c198.272,140.305) 197.84,142.05 216.29,142.05 ccw(c216.295,142.795) 216.29,143.54 143.28,143.54 ccw(c143.286,142.795) 143.271,142.05 161.48,142.04 cw(c161.519,140.516) 163.04,140.63 163.05,140.01 cw(c161.542,140.047) 161.471,138.54 90.051,138.54 cw(c89.945,139.922) 88.56,139.99 88.56,140.572 cw(c90.077,140.543) 90.051,142.06 108.28,142.05 ccw(c108.298,142.8) 108.29,143.55 82.223,143.56 cw(c82.275,144.875) 80.96,144.9 80.94,237.879 ; 112.8,142.045 cw(c112.8,142.795) 112.8,143.545 138.8,143.545 cw(c138.8,142.795) 138.8,142.045 112.8,142.045 ; 112.8,239.245 cw(c112.8,239.995) 112.8,240.745 138.8,240.745 cw(c138.8,239.995) 138.8,239.245 112.8,239.245 ; 183.85,152.22 183.86,152.21 197.1,152.21 197.1,153.16 183.85,153.16 183.85,152.22 ; 193.025,179.503 cw(c193.022,179.999) 193.025,180.495 246.025,180.495 cw(c246.035,179.995) 246.025,179.495 239.025,179.495 239.025,167.795 cw(c238.525,167.8) 238.025,167.795 238.025,179.495 220.025,179.495 220.025,167.795 cw(c219.525,167.788) 219.025,167.795 219.025,179.495 201.025,179.495 201.025,167.795 cw(c200.525,167.795) 200.025,167.795 200.025,179.503 193.025,179.503 ; 220.8,142.045 cw(c220.8,142.795) 220.8,143.545 246.8,143.545 cw(c246.849,142.795) 246.8,142.045 220.8,142.045 ; 220.8,239.245 cw(c220.8,239.995) 220.8,240.745 246.8,240.745 cw(c246.8,239.995) 246.8,239.245 220.8,239.245 ; 328.8,142.045 cw(c328.8,142.795) 328.8,143.545 354.8,143.545 cw(c354.8,142.795) 354.8,142.045 328.8,142.045

## Other copper
Top Layer:
  pour cut-out: 188.73,158.81 ccw(c188.827,158.713) 188.69,158.713 188.69,137.087 cw(c188.383,137.087) 188.6,136.87 ccw(c190.024,138.294) 190.024,136.28 224.92,136.28 224.92,158.012 ccw(c223.862,158.012) 224.61,158.76
Bottom Layer:
  pour cut-out: 188.66,158.81 ccw(c188.757,158.713) 188.62,158.713 188.62,137.087 cw(c188.313,137.087) 188.53,136.87 ccw(c189.954,138.294) 189.954,136.28 224.85,136.28 224.85,158.012 ccw(c223.792,158.012) 224.54,158.76

## Silkscreen, mask and mechanical layers (free items; w line width, h text height)
Bottom Overlay:
  text "WK 650 V1.0" at 229.36,153.4 h1
  text "20240513" at 229.23,152.11 h1
Mechanical 4:
  drawing of 3848 lines, arcs and shapes, not listed
Mechanical 5:
  text "C2" at 382.204,224.111 h0.64
Mechanical 7:
  drawing of 562 lines, arcs and shapes, not listed
Mechanical 8:
  drawing of 467 lines, arcs and shapes, not listed
  text "ENC2" at 385.704,222.15 h0.38 r90
  text "S9" at 242.399,218.963 h1.27
  text "S1" at 84.996,218.871 h1.27
  text "S2" at 104.826,218.836 h1.27
  text "S3" at 123.826,218.836 h1.27
  text "S4" at 142.826,218.836 h1.27
  text "S5" at 161.826,218.836 h1.27
  text "S6" at 180.826,218.836 h1.27
  text "S7" at 199.826,218.836 h1.27
  text "S10" at 257.37,218.826 h1.27
  text "S11" at 276.37,218.826 h1.27
  text "S12" at 295.37,218.826 h1.27
  text "S13" at 314.37,218.826 h1.27
  text "S14" at 342.87,218.826 h1.27
  text "S15" at 371.741,218.794 h1.27
  text "S8" at 218.827,218.766 h1.27
  text "SW1" at 105.081,214.958 h0.64
  text "S29" at 344.328,206.781 h1.27 r90
  text "S16" at 86.383,205.488 h1.27 r90
  text "S30" at 381.906,204.421 h1.27 r90
  text "S28" at 321.426,202.958 h1.27 r90
  text "S26" at 283.289,202.716 h1.27 r90
  text "S20" at 169.212,202.628 h1.27 r90
  text "S24" at 245.493,202.609 h1.27 r90
  text "S27" at 302.491,202.623 h1.27 r90
  text "S19" at 150.013,202.488 h1.27 r90
  text "S22" at 207.27,202.449 h1.27 r90
  text "S25" at 264.485,202.449 h1.27 r90
  text "S21" at 188.198,202.369 h1.27 r90
  text "S17" at 111.635,202.348 h1.27 r90
  text "S18" at 131.066,202.264 h1.27 r90
  text "S23" at 226.528,202.183 h1.27 r90
  text "S46" at 362.731,193.495 h1.27 r90
  text "S43" at 329.675,181.982 h1.27
  text "S31" at 94.324,181.142 h1.27
  text "S32" at 120.349,181.142 h1.27
  text "S33" at 139.349,181.142 h1.27
  text "S34" at 158.349,181.142 h1.27
  text "S35" at 177.349,181.142 h1.27
  text "S36" at 196.349,181.142 h1.27
  text "S37" at 215.349,181.142 h1.27
  text "S38" at 234.349,181.142 h1.27
  text "S39" at 253.349,181.142 h1.27
  text "S40" at 272.349,181.142 h1.27
  text "S41" at 291.349,181.142 h1.27
  text "S42" at 310.349,181.142 h1.27
  text "S44" at 341.324,181.142 h1.27
  text "S45" at 372.199,181.065 h1.27
  text "S58" at 281.603,162.1 h1.27
  text "S56" at 243.478,162.066 h1.27
  text "S50" at 129.475,162.045 h1.27
  text "S55" at 224.81,162.043 h1.27
  text "S61" at 352.561,162.027 h1.27
  text "S59" at 300.496,162.006 h1.27
  text "S60" at 326.644,161.995 h1.27
  text "S54" at 205.847,161.948 h1.27
  text "S53" at 186.584,161.885 h1.27
  text "S51" at 145.366,161.823 h1.27
  text "S62" at 374.103,161.82 h1.27
  text "S47" at 89.904,161.718 h1.27
  text "S49" at 110.78,161.731 h1.27
  text "S52" at 170.995,161.629 h1.27
  text "S48" at 99.56,161.558 h1.27
  text "S57" at 260.6,161.17 h1.27
  text "S68" at 224.269,146.344 h1.27
  text "S67" at 203.488,145.463 h1.27
  text "S63" at 89.722,145.392 h1.27
  text "S64" at 113.472,145.392 h1.27
  text "S65" at 137.222,145.392 h1.27
  text "S66" at 170.472,145.392 h1.27
  text "S69" at 241.722,145.392 h1.27
  text "S70" at 279.722,145.392 h1.27
  text "S71" at 303.472,145.392 h1.27
  text "S72" at 334.347,145.392 h1.27
  text "S73" at 353.347,145.392 h1.27
  text "S74" at 372.347,145.392 h1.27
Mechanical 9:
  lines w1.6: 376.125,238.513 376.525,238.513 ; 376.325,223.813 376.325,224.213 ; 378.825,223.813 378.825,224.213 ; 381.125,238.513 381.525,238.513 ; 381.325,223.813 381.325,224.213
Mechanical 12:
  lines w1.803: 376.125,238.513 376.525,238.513 ; 376.325,223.813 376.325,224.213 ; 378.825,223.813 378.825,224.213 ; 381.125,238.513 381.525,238.513 ; 381.325,223.813 381.325,224.213

## Text inside footprints (layer, text, board x,y; h text height)
LED1: Bottom Overlay "OUT" at 374.56,220.72 h0.71 r90; Bottom Overlay "VDD" at 372.73,220.73 h0.71 r90; Bottom Overlay "DIN" at 372.7,229.14 h0.71 r90; Bottom Overlay "GND" at 374.53,229.22 h0.71 r90
LED2: Bottom Overlay "OUT" at 344.3,223.13 h0.71; Bottom Overlay "VDD" at 344.31,224.96 h0.71; Bottom Overlay "DIN" at 352.72,224.99 h0.71; Bottom Overlay "GND" at 352.8,223.16 h0.71
LED3: Bottom Overlay "OUT" at 87.69,223.15 h0.71; Bottom Overlay "VDD" at 87.7,224.98 h0.71; Bottom Overlay "DIN" at 96.11,225.01 h0.71; Bottom Overlay "GND" at 96.19,223.18 h0.71
LED4: Bottom Overlay "OUT" at 106.76,223.16 h0.71; Bottom Overlay "VDD" at 106.77,224.99 h0.71; Bottom Overlay "DIN" at 115.18,225.02 h0.71; Bottom Overlay "GND" at 115.26,223.19 h0.71
LED5: Bottom Overlay "OUT" at 125.8,223.11 h0.71; Bottom Overlay "VDD" at 125.81,224.94 h0.71; Bottom Overlay "DIN" at 134.22,224.97 h0.71; Bottom Overlay "GND" at 134.3,223.14 h0.71
LED6: Bottom Overlay "OUT" at 144.84,223.16 h0.71; Bottom Overlay "VDD" at 144.85,224.99 h0.71; Bottom Overlay "DIN" at 153.26,225.02 h0.71; Bottom Overlay "GND" at 153.34,223.19 h0.71
LED7: Bottom Overlay "OUT" at 163.99,223.07 h0.71; Bottom Overlay "VDD" at 164,224.9 h0.71; Bottom Overlay "DIN" at 172.41,224.93 h0.71; Bottom Overlay "GND" at 172.49,223.1 h0.71
LED8: Bottom Overlay "OUT" at 182.75,223.14 h0.71; Bottom Overlay "VDD" at 182.76,224.97 h0.71; Bottom Overlay "DIN" at 191.17,225 h0.71; Bottom Overlay "GND" at 191.25,223.17 h0.71
LED9: Bottom Overlay "OUT" at 201.75,223.14 h0.71; Bottom Overlay "VDD" at 201.76,224.97 h0.71; Bottom Overlay "DIN" at 210.17,225 h0.71; Bottom Overlay "GND" at 210.25,223.17 h0.71
LED10: Bottom Overlay "OUT" at 219.97,223.16 h0.71; Bottom Overlay "VDD" at 219.98,224.99 h0.71; Bottom Overlay "DIN" at 228.39,225.02 h0.71; Bottom Overlay "GND" at 228.47,223.19 h0.71
LED11: Bottom Overlay "OUT" at 240.28,223.18 h0.71; Bottom Overlay "VDD" at 240.29,225.01 h0.71; Bottom Overlay "DIN" at 248.7,225.04 h0.71; Bottom Overlay "GND" at 248.78,223.21 h0.71
LED12: Bottom Overlay "OUT" at 258.81,222.89 h0.71; Bottom Overlay "VDD" at 258.82,224.72 h0.71; Bottom Overlay "DIN" at 267.23,224.75 h0.71; Bottom Overlay "GND" at 267.31,222.92 h0.71
LED13: Bottom Overlay "OUT" at 277.76,223.12 h0.71; Bottom Overlay "VDD" at 277.77,224.95 h0.71; Bottom Overlay "DIN" at 286.18,224.98 h0.71; Bottom Overlay "GND" at 286.26,223.15 h0.71
LED14: Bottom Overlay "OUT" at 296.78,223.13 h0.71; Bottom Overlay "VDD" at 296.79,224.96 h0.71; Bottom Overlay "DIN" at 305.2,224.99 h0.71; Bottom Overlay "GND" at 305.28,223.16 h0.71
LED15: Bottom Overlay "OUT" at 315.81,223.1 h0.71; Bottom Overlay "VDD" at 315.82,224.93 h0.71; Bottom Overlay "DIN" at 324.23,224.96 h0.71; Bottom Overlay "GND" at 324.31,223.13 h0.71
LED16: Bottom Overlay "OUT" at 99.56,206.56 h0.71 r180; Bottom Overlay "VDD" at 99.55,204.73 h0.71 r180; Bottom Overlay "DIN" at 91.14,204.7 h0.71 r180; Bottom Overlay "GND" at 91.06,206.53 h0.71 r180
LED17: Bottom Overlay "OUT" at 123.22,206.51 h0.71 r180; Bottom Overlay "VDD" at 123.21,204.68 h0.71 r180; Bottom Overlay "DIN" at 114.8,204.65 h0.71 r180; Bottom Overlay "GND" at 114.72,206.48 h0.71 r180
LED18: Bottom Overlay "OUT" at 379.59,206.48 h0.71 r180; Bottom Overlay "VDD" at 379.58,204.65 h0.71 r180; Bottom Overlay "DIN" at 371.17,204.62 h0.71 r180; Bottom Overlay "GND" at 371.09,206.45 h0.71 r180
LED19: Bottom Overlay "OUT" at 329.69,195.61 h0.71; Bottom Overlay "VDD" at 329.7,197.44 h0.71; Bottom Overlay "DIN" at 338.11,197.47 h0.71; Bottom Overlay "GND" at 338.19,195.64 h0.71
LED20: Bottom Overlay "OUT" at 332.2,206.48 h0.71 r180; Bottom Overlay "VDD" at 332.19,204.65 h0.71 r180; Bottom Overlay "DIN" at 323.78,204.62 h0.71 r180; Bottom Overlay "GND" at 323.7,206.45 h0.71 r180
LED21: Bottom Overlay "OUT" at 313.21,206.51 h0.71 r180; Bottom Overlay "VDD" at 313.2,204.68 h0.71 r180; Bottom Overlay "DIN" at 304.79,204.65 h0.71 r180; Bottom Overlay "GND" at 304.71,206.48 h0.71 r180
LED22: Bottom Overlay "OUT" at 294.27,206.51 h0.71 r180; Bottom Overlay "VDD" at 294.26,204.68 h0.71 r180; Bottom Overlay "DIN" at 285.85,204.65 h0.71 r180; Bottom Overlay "GND" at 285.77,206.48 h0.71 r180
LED23: Bottom Overlay "OUT" at 275.24,206.44 h0.71 r180; Bottom Overlay "VDD" at 275.23,204.61 h0.71 r180; Bottom Overlay "DIN" at 266.82,204.58 h0.71 r180; Bottom Overlay "GND" at 266.74,206.41 h0.71 r180
LED24: Bottom Overlay "OUT" at 256.25,206.46 h0.71 r180; Bottom Overlay "VDD" at 256.24,204.63 h0.71 r180; Bottom Overlay "DIN" at 247.83,204.6 h0.71 r180; Bottom Overlay "GND" at 247.75,206.43 h0.71 r180
LED25: Bottom Overlay "OUT" at 237.26,206.53 h0.71 r180; Bottom Overlay "VDD" at 237.25,204.7 h0.71 r180; Bottom Overlay "DIN" at 228.84,204.67 h0.71 r180; Bottom Overlay "GND" at 228.76,206.5 h0.71 r180
LED26: Bottom Overlay "OUT" at 218.26,206.5 h0.71 r180; Bottom Overlay "VDD" at 218.25,204.67 h0.71 r180; Bottom Overlay "DIN" at 209.84,204.64 h0.71 r180; Bottom Overlay "GND" at 209.76,206.47 h0.71 r180
LED27: Bottom Overlay "OUT" at 199.19,206.49 h0.71 r180; Bottom Overlay "VDD" at 199.18,204.66 h0.71 r180; Bottom Overlay "DIN" at 190.77,204.63 h0.71 r180; Bottom Overlay "GND" at 190.69,206.46 h0.71 r180
LED28: Bottom Overlay "OUT" at 180.31,206.49 h0.71 r180; Bottom Overlay "VDD" at 180.3,204.66 h0.71 r180; Bottom Overlay "DIN" at 171.89,204.63 h0.71 r180; Bottom Overlay "GND" at 171.81,206.46 h0.71 r180
LED29: Bottom Overlay "OUT" at 161.27,206.51 h0.71 r180; Bottom Overlay "VDD" at 161.26,204.68 h0.71 r180; Bottom Overlay "DIN" at 152.85,204.65 h0.71 r180; Bottom Overlay "GND" at 152.77,206.48 h0.71 r180
LED30: Bottom Overlay "OUT" at 142.29,206.54 h0.71 r180; Bottom Overlay "VDD" at 142.28,204.71 h0.71 r180; Bottom Overlay "DIN" at 133.87,204.68 h0.71 r180; Bottom Overlay "GND" at 133.79,206.51 h0.71 r180
LED31: Bottom Overlay "OUT" at 372.81,184.85 h0.71; Bottom Overlay "VDD" at 372.82,186.68 h0.71; Bottom Overlay "DIN" at 381.23,186.71 h0.71; Bottom Overlay "GND" at 381.31,184.88 h0.71
LED32: Bottom Overlay "OUT" at 95,185.14 h0.71; Bottom Overlay "VDD" at 95.01,186.97 h0.71; Bottom Overlay "DIN" at 103.42,187 h0.71; Bottom Overlay "GND" at 103.5,185.17 h0.71
LED33: Bottom Overlay "OUT" at 120.92,185.14 h0.71; Bottom Overlay "VDD" at 120.93,186.97 h0.71; Bottom Overlay "DIN" at 129.34,187 h0.71; Bottom Overlay "GND" at 129.42,185.17 h0.71
LED34: Bottom Overlay "OUT" at 138.61,185.79 h0.71; Bottom Overlay "VDD" at 138.62,187.62 h0.71; Bottom Overlay "DIN" at 147.03,187.65 h0.71; Bottom Overlay "GND" at 147.11,185.82 h0.71
LED35: Bottom Overlay "OUT" at 158.86,185.18 h0.71; Bottom Overlay "VDD" at 158.87,187.01 h0.71; Bottom Overlay "DIN" at 167.28,187.04 h0.71; Bottom Overlay "GND" at 167.36,185.21 h0.71
LED36: Bottom Overlay "OUT" at 178.01,185.13 h0.71; Bottom Overlay "VDD" at 178.02,186.96 h0.71; Bottom Overlay "DIN" at 186.43,186.99 h0.71; Bottom Overlay "GND" at 186.51,185.16 h0.71
LED37: Bottom Overlay "OUT" at 196.92,185.11 h0.71; Bottom Overlay "VDD" at 196.93,186.94 h0.71; Bottom Overlay "DIN" at 205.34,186.97 h0.71; Bottom Overlay "GND" at 205.42,185.14 h0.71
LED38: Bottom Overlay "OUT" at 215.96,185.11 h0.71; Bottom Overlay "VDD" at 215.97,186.94 h0.71; Bottom Overlay "DIN" at 224.38,186.97 h0.71; Bottom Overlay "GND" at 224.46,185.14 h0.71
LED39: Bottom Overlay "OUT" at 235.03,185.24 h0.71; Bottom Overlay "VDD" at 235.04,187.07 h0.71; Bottom Overlay "DIN" at 243.45,187.1 h0.71; Bottom Overlay "GND" at 243.53,185.27 h0.71
LED40: Bottom Overlay "OUT" at 254.02,185.17 h0.71; Bottom Overlay "VDD" at 254.03,187 h0.71; Bottom Overlay "DIN" at 262.44,187.03 h0.71; Bottom Overlay "GND" at 262.52,185.2 h0.71
LED41: Bottom Overlay "OUT" at 273.02,185.13 h0.71; Bottom Overlay "VDD" at 273.03,186.96 h0.71; Bottom Overlay "DIN" at 281.44,186.99 h0.71; Bottom Overlay "GND" at 281.52,185.16 h0.71
LED42: Bottom Overlay "OUT" at 291.98,185.21 h0.71; Bottom Overlay "VDD" at 291.99,187.04 h0.71; Bottom Overlay "DIN" at 300.4,187.07 h0.71; Bottom Overlay "GND" at 300.48,185.24 h0.71
LED43: Bottom Overlay "OUT" at 310.97,185.22 h0.71; Bottom Overlay "VDD" at 310.98,187.05 h0.71; Bottom Overlay "DIN" at 319.39,187.08 h0.71; Bottom Overlay "GND" at 319.47,185.25 h0.71
LED44: Bottom Overlay "OUT" at 346.45,182.63 h0.71 r90; Bottom Overlay "VDD" at 344.62,182.64 h0.71 r90; Bottom Overlay "DIN" at 344.59,191.05 h0.71 r90; Bottom Overlay "GND" at 346.42,191.13 h0.71 r90
LED45: Bottom Overlay "OUT" at 360.79,168.5 h0.71 r180; Bottom Overlay "VDD" at 360.78,166.67 h0.71 r180; Bottom Overlay "DIN" at 352.37,166.64 h0.71 r180; Bottom Overlay "GND" at 352.29,168.47 h0.71 r180
LED46: Bottom Overlay "OUT" at 334.69,168.53 h0.71 r180; Bottom Overlay "VDD" at 334.68,166.7 h0.71 r180; Bottom Overlay "DIN" at 326.27,166.67 h0.71 r180; Bottom Overlay "GND" at 326.19,168.5 h0.71 r180
LED47: Bottom Overlay "OUT" at 308.57,168.5 h0.71 r180; Bottom Overlay "VDD" at 308.56,166.67 h0.71 r180; Bottom Overlay "DIN" at 300.15,166.64 h0.71 r180; Bottom Overlay "GND" at 300.07,168.47 h0.71 r180
LED48: Bottom Overlay "OUT" at 289.58,168.5 h0.71 r180; Bottom Overlay "VDD" at 289.57,166.67 h0.71 r180; Bottom Overlay "DIN" at 281.16,166.64 h0.71 r180; Bottom Overlay "GND" at 281.08,168.47 h0.71 r180
LED49: Bottom Overlay "OUT" at 270.59,168.53 h0.71 r180; Bottom Overlay "VDD" at 270.58,166.7 h0.71 r180; Bottom Overlay "GND" at 262.09,168.5 h0.71 r180
LED50: Bottom Overlay "OUT" at 251.57,168.53 h0.71 r180; Bottom Overlay "VDD" at 251.56,166.7 h0.71 r180; Bottom Overlay "DIN" at 243.15,166.67 h0.71 r180; Bottom Overlay "GND" at 243.07,168.5 h0.71 r180
LED51: Bottom Overlay "OUT" at 232.58,168.53 h0.71 r180; Bottom Overlay "VDD" at 232.57,166.7 h0.71 r180; Bottom Overlay "DIN" at 224.16,166.67 h0.71 r180; Bottom Overlay "GND" at 224.08,168.5 h0.71 r180
LED52: Bottom Overlay "OUT" at 213.53,168.53 h0.71 r180; Bottom Overlay "VDD" at 213.52,166.7 h0.71 r180; Bottom Overlay "DIN" at 205.11,166.67 h0.71 r180; Bottom Overlay "GND" at 205.03,168.5 h0.71 r180
LED53: Bottom Overlay "OUT" at 194.48,168.56 h0.71 r180; Bottom Overlay "VDD" at 194.47,166.73 h0.71 r180; Bottom Overlay "DIN" at 186.06,166.7 h0.71 r180; Bottom Overlay "GND" at 185.98,168.53 h0.71 r180
LED54: Bottom Overlay "OUT" at 175.49,168.53 h0.71 r180; Bottom Overlay "VDD" at 175.48,166.7 h0.71 r180; Bottom Overlay "DIN" at 167.07,166.67 h0.71 r180; Bottom Overlay "GND" at 166.99,168.5 h0.71 r180
LED55: Bottom Overlay "OUT" at 156.51,168.5 h0.71 r180; Bottom Overlay "VDD" at 156.5,166.67 h0.71 r180; Bottom Overlay "DIN" at 148.09,166.64 h0.71 r180; Bottom Overlay "GND" at 148.01,168.47 h0.71 r180
LED56: Bottom Overlay "OUT" at 137.52,168.62 h0.71 r180; Bottom Overlay "VDD" at 137.51,166.79 h0.71 r180; Bottom Overlay "DIN" at 129.1,166.76 h0.71 r180; Bottom Overlay "GND" at 129.02,168.59 h0.71 r180